# Altium PCB Isolator-Magnetic.PcbDoc
Units mm, origin at the board's own origin, x right, y up, seen from the top; angles counter-clockwise.
Board outline 35 x 45 mm, 2 copper layers (Top Layer, Bottom Layer), stack 1.85 mm thick; 14 components, 46 nets, 132 pads, 68 vias.
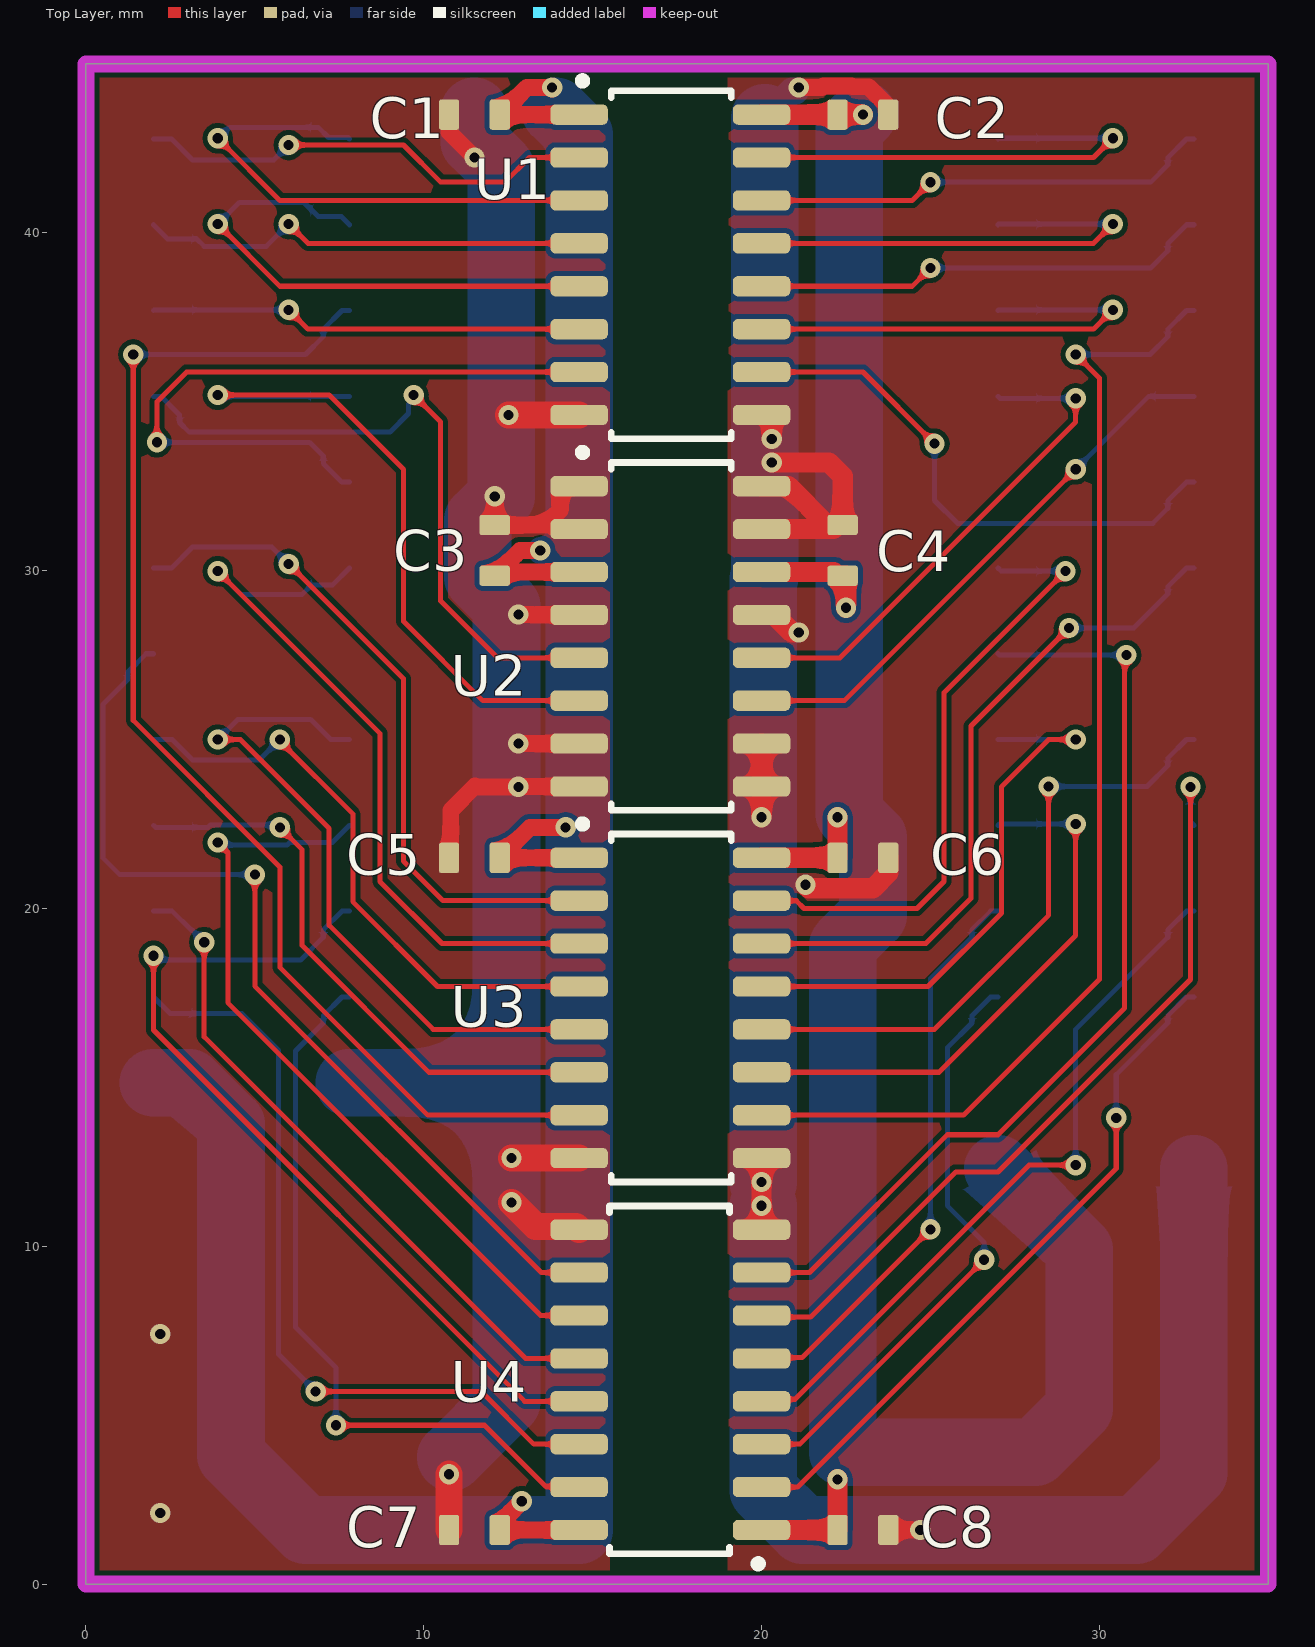
[diagram p0: Top Layer view]
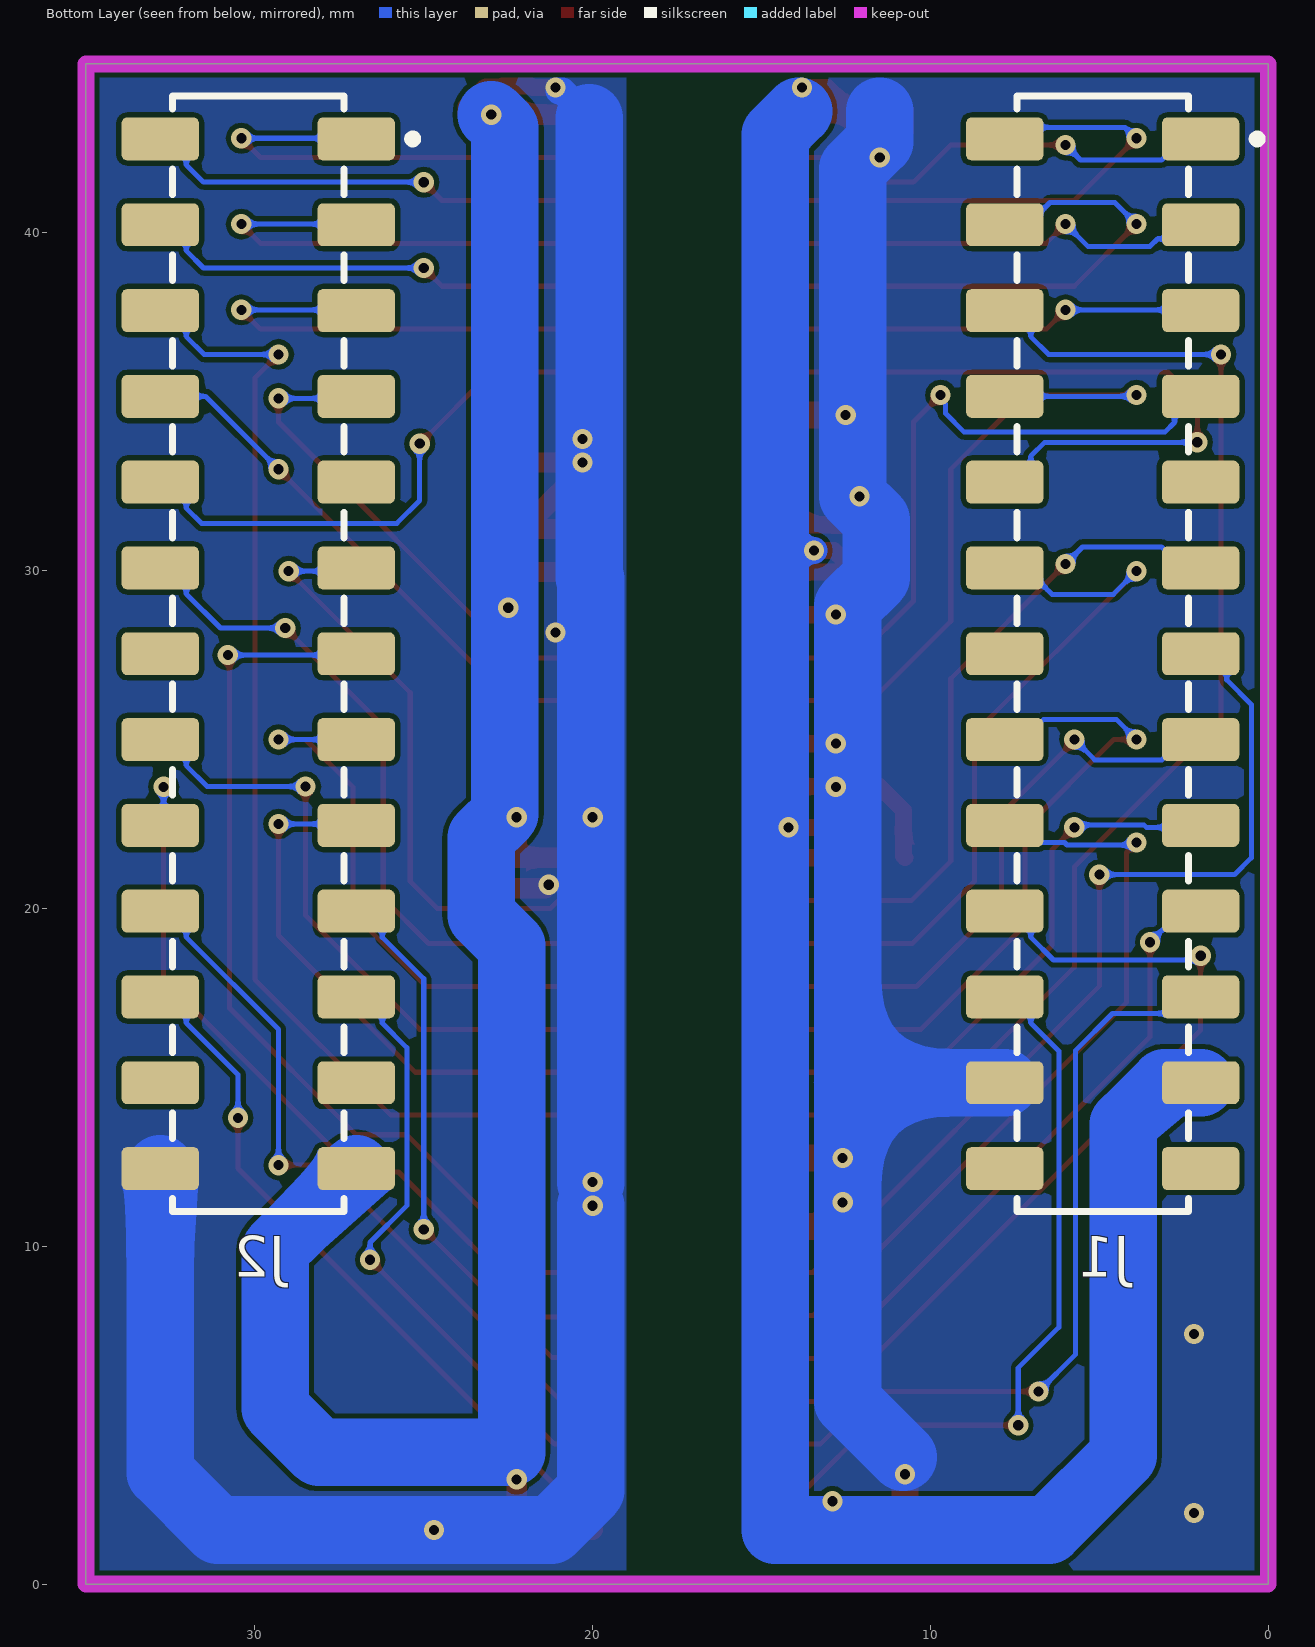
[diagram p1: Bottom Layer view, seen from below]

## Layer stack, top to bottom
Top Solder: solder mask 0.0102, Solder Resist, Dk 3.5
Top Layer: signal copper 0.035
Dielectric 2: prepreg 0.14, PP-010, Dk 4.3
Dielectric 1: core 1.5, Core-042, Dk 4.6
Dielectric 3: prepreg 0.14, PP-010, Dk 4.3
Bottom Layer: signal copper 0.035
Bottom Solder: solder mask 0.0102, Solder Resist, Dk 3.5

## Board outline
0,0 35,0 35,45 0,45

## Design rules (kind name [scope] priority, off if disabled: settings)
Clearance "Clearance Polygon Highspeed" [InPolygon and InNet('GND') vs InNetClass('Ethernet') or InNetClass('HDMI') or InNetClass('LVDS') or InNetClass('PCIe') or InNetClass('SATA') or InNetClass('USBO1_HS') or InNetClass('USBO1_SS') or InNetClass('USBH2_HS') or InNetClass('USBH3_HS') or InNetClass('USBH4_HS') or InNetClass('USBH4_SS')] p1: gap=0.15 ignorepadtopadclearanceinfootprint=FALSE except(0: Arc-Hole Track-Hole SMDPad-Hole THPad-Hole Via-Hole Fill-Hole Poly-Hole Region-Hole Text-Hole; 1.5: Arc-Fill Arc-Poly Arc-Region Track-Fill Track-Poly Track-Region SMDPad-Fill SMDPad-Poly SMDPad-Region THPad-Fill THPad-Poly THPad-Region Via-Fill Via-Poly Via-Region Fill-Fill Fill-Poly Fill-Region Poly-Poly Poly-Region Region-Region)
Clearance "Analog Polygon" [InNet('AGND') and InPolygon] p2: gap=0.15 ignorepadtopadclearanceinfootprint=FALSE except(0: Arc-Hole Track-Hole SMDPad-Hole THPad-Hole Via-Hole Fill-Hole Poly-Hole Region-Hole Text-Hole; 0.3: Arc-Fill Arc-Poly Arc-Region Track-Fill Track-Poly Track-Region SMDPad-Fill SMDPad-Poly SMDPad-Region THPad-Fill THPad-Poly THPad-Region Via-Fill Via-Poly Via-Region Fill-Fill Fill-Poly Fill-Region Poly-Poly Poly-Region Region-Region)
Clearance "Digital Polygon" [InNet('GND') and InPolygon] p3: gap=0.15 ignorepadtopadclearanceinfootprint=FALSE except(0: Arc-Hole Track-Hole SMDPad-Hole THPad-Hole Via-Hole Fill-Hole Poly-Hole Region-Hole Text-Hole; 0.3: Arc-Fill Arc-Poly Arc-Region Track-Fill Track-Poly Track-Region SMDPad-Fill SMDPad-Poly SMDPad-Region THPad-Fill THPad-Poly THPad-Region Via-Fill Via-Poly Via-Region Fill-Fill Fill-Poly Fill-Region Poly-Poly Poly-Region Region-Region)
Clearance "Diff Pairs" [InNetClass('Ethernet') or InNetClass('SATA') or InNetClass('HDMI') or InNetClass('PCIe') or InNetClass('LVDS')] p4: gap=0.1 ignorepadtopadclearanceinfootprint=FALSE except(1: Arc-Fill Arc-Poly Arc-Region Track-Fill Track-Poly Track-Region SMDPad-Fill SMDPad-Poly SMDPad-Region THPad-Fill THPad-Poly THPad-Region Via-Fill Via-Poly Via-Region Fill-Fill Fill-Poly Fill-Region Poly-Poly Poly-Region Region-Region)
Clearance [All] p5: gap=0.15 ignorepadtopadclearanceinfootprint=FALSE except(0: Arc-Hole Track-Hole SMDPad-Hole THPad-Hole Via-Hole Fill-Hole Poly-Hole Region-Hole Text-Hole)
ComponentClearance [All] p1: gap=0.2 collisioncheckmode=3 verticalgap=0.2 showdistances=FALSE
DiffPairsRouting Diff_Ethernet [InNetClass('Ethernet')] p1: maxlimit=2 minlimit=0.135 mostfreqgap=0.135 toplayer_minwidth=0.165 toplayer_maxwidth=0.165 toplayer_prefwidth=0.165 bottomlayer_minwidth=0.165 bottomlayer_maxwidth=0.165 bottomlayer_prefwidth=0.165 impedanceprofiledriven=TRUE impedanceprofileid={0758E92C-ECA7-4BD1-944C-2B5039B24D7F} impedanceprofilevalue=95.000000 maxuncoupledlength=12.7
DiffPairsRouting Diff_PCIe [InNetClass('PCIe')] p2: maxlimit=2 minlimit=0.16 mostfreqgap=0.16 toplayer_minwidth=0.1 toplayer_maxwidth=0.198 toplayer_prefwidth=0.198 bottomlayer_minwidth=0.1 bottomlayer_maxwidth=0.198 bottomlayer_prefwidth=0.198 impedanceprofiledriven=TRUE impedanceprofileid={872D3C10-AE81-4B26-BAE9-CD09B3029D58} impedanceprofilevalue=90.000000 maxuncoupledlength=12.7
DiffPairsRouting Diff_HDMI [InNetClass('HDMI')] p3: maxlimit=2 minlimit=0.16 mostfreqgap=0.16 toplayer_minwidth=0.1 toplayer_maxwidth=0.198 toplayer_prefwidth=0.198 bottomlayer_minwidth=0.1 bottomlayer_maxwidth=0.198 bottomlayer_prefwidth=0.198 impedanceprofiledriven=TRUE impedanceprofileid={872D3C10-AE81-4B26-BAE9-CD09B3029D58} impedanceprofilevalue=90.000000 maxuncoupledlength=12.7
DiffPairsRouting Diff_SATA [InNetClass('SATA')] p4: maxlimit=2 minlimit=0.105 mostfreqgap=0.105 toplayer_minwidth=0.165 toplayer_maxwidth=0.165 toplayer_prefwidth=0.165 bottomlayer_minwidth=0.165 bottomlayer_maxwidth=0.165 bottomlayer_prefwidth=0.165 impedanceprofiledriven=TRUE impedanceprofileid={3923B0F9-8FB3-4A4E-B013-C19AAABC556E} impedanceprofilevalue=90.000000 maxuncoupledlength=12.7
DiffPairsRouting Diff_LVDS [InNetClass('LVDS')] p5: maxlimit=2 minlimit=0.17 mostfreqgap=0.17 toplayer_minwidth=0.165 toplayer_maxwidth=0.165 toplayer_prefwidth=0.165 bottomlayer_minwidth=0.165 bottomlayer_maxwidth=0.165 bottomlayer_prefwidth=0.165 impedanceprofiledriven=TRUE impedanceprofileid={7474D7DC-58A7-4FA6-A522-E63227D1F5B1} impedanceprofilevalue=100.000000 maxuncoupledlength=12.7
DiffPairsRouting DiffPairsRouting_USB [All] p6: maxlimit=2 minlimit=0.16 mostfreqgap=0.16 toplayer_minwidth=0.1 toplayer_maxwidth=0.198 toplayer_prefwidth=0.198 bottomlayer_minwidth=0.1 bottomlayer_maxwidth=0.198 bottomlayer_prefwidth=0.198 impedanceprofiledriven=TRUE impedanceprofileid={872D3C10-AE81-4B26-BAE9-CD09B3029D58} impedanceprofilevalue=90.000000 maxuncoupledlength=12.7
FabricationTestPointUsage FabricationTestPointUsage_1 [All] p1: valid=0 allowmultiple=FALSE
FabricationTestpoint FabricationTestpoint_1 [All] p1: side=3 testpointundercomponent=TRUE minsize=1.016 maxsize=2.54 preferedsize=1.524 minholesize=0 maxholesize=1.016 preferedholesize=0.813 testpointgrid=0.025 allowsidetop=TRUE allowsidebottom=TRUE usegrid=TRUE gridtolerance=0
Height [All] p1: minheight=0 maxheight=100 prefheight=0.254
HoleSize [All] p1: absolutevalues=TRUE maxlimit=6 minlimit=0.2 maxpercent=80.000 minpercent=20.000
HoleSize FabricationTestpoint [All] p2 off: absolutevalues=TRUE maxlimit=2.54 minlimit=0.025 maxpercent=80.000 minpercent=20.000
HoleSize FabricationTestPointUsage [All] p3 off: absolutevalues=TRUE maxlimit=2.54 minlimit=0.025 maxpercent=80.000 minpercent=20.000
MatchedLengths Match_PCIe [InNetClass('PCIe')] p1: tolerance=2 checknetsindiffpair=FALSE checkdiffpairvsdiffpair=TRUE checkxsignals=TRUE checkothers=TRUE
MatchedLengths Match_PCIe_Intra [InNetClass('PCIe')] p2: tolerance=0.15 checknetsindiffpair=TRUE checkdiffpairvsdiffpair=FALSE checkxsignals=FALSE checkothers=FALSE
MatchedLengths Match_SATA [InNetClass('SATA')] p3: tolerance=2 checknetsindiffpair=FALSE checkdiffpairvsdiffpair=TRUE checkxsignals=TRUE checkothers=TRUE
MatchedLengths Match_SATA_Intra [InNetClass('SATA')] p4: tolerance=0.15 checknetsindiffpair=TRUE checkdiffpairvsdiffpair=FALSE checkxsignals=FALSE checkothers=FALSE
MatchedLengths Match_Ethernet [InNetClass('Ethernet')] p5: tolerance=2 checknetsindiffpair=FALSE checkdiffpairvsdiffpair=TRUE checkxsignals=TRUE checkothers=TRUE
MatchedLengths Match_Ethernet_Intra [InNetClass('SATA')] p6: tolerance=0.25 checknetsindiffpair=TRUE checkdiffpairvsdiffpair=FALSE checkxsignals=FALSE checkothers=FALSE
MatchedLengths Match_HDMI [InNetClass('HDMI')] p7: tolerance=2 checknetsindiffpair=FALSE checkdiffpairvsdiffpair=TRUE checkxsignals=TRUE checkothers=TRUE
MatchedLengths Match_HDMI_Intra [InNetClass('HDMI')] p8: tolerance=0.75 checknetsindiffpair=TRUE checkdiffpairvsdiffpair=FALSE checkxsignals=FALSE checkothers=FALSE
MatchedLengths Match_LVDS_Intra [InNetClass('LVDS')] p9: tolerance=0.15 checknetsindiffpair=FALSE checkdiffpairvsdiffpair=TRUE checkxsignals=TRUE checkothers=TRUE
MatchedLengths Match_USBO1_SS [InNetClass('USBO1_SS')] p10: tolerance=2 checknetsindiffpair=FALSE checkdiffpairvsdiffpair=TRUE checkxsignals=TRUE checkothers=TRUE
MatchedLengths Match_USBH4_SS [InNetClass('USBH4_SS')] p11: tolerance=2 checknetsindiffpair=FALSE checkdiffpairvsdiffpair=TRUE checkxsignals=TRUE checkothers=TRUE
MatchedLengths Match_USB_SS_Intra [InNetClass('USBO1_SS') or InNetClass('USBH4_SS')] p12: tolerance=0.15 checknetsindiffpair=TRUE checkdiffpairvsdiffpair=FALSE checkxsignals=FALSE checkothers=FALSE
MatchedLengths Match_USB_HS_Intra [InNetClass('USBO1_HS') or InNetClass('USBH2_HS') or InNetClass('USBH3_HS') or InNetClass('USBH4_HS')] p13: tolerance=1.1 checknetsindiffpair=TRUE checkdiffpairvsdiffpair=FALSE checkxsignals=FALSE checkothers=FALSE
MinimumAnnularRing [All] p1: minimumring=0.15
MinimumSolderMaskSliver [All] p1: minsoldermaskwidth=0.1
PlaneClearance [All] p1: clearance=0.3
PlaneConnect [All] p1: planeconnectstyle=Direct reliefexpansion=0.4 reliefentries=4 reliefconductorwidth=0.15 reliefairgap=0.15
PolygonConnect [All] p1: thpad.connectstyle=Relief thpad.reliefconductorwidth=0.3 thpad.reliefentries=4 thpad.polygonreliefangle="90 Angle" thpad.airgapwidth=0.2 smdpad.connectstyle=Direct smdpad.reliefconductorwidth=0.15 smdpad.reliefentries=4 smdpad.polygonreliefangle="90 Angle" smdpad.airgapwidth=0.254 via.connectstyle=Direct via.reliefconductorwidth=0.15 via.reliefentries=4 via.polygonreliefangle="90 Angle" via.airgapwidth=0.254
RoutingCorners [All] p1: cornerstyle=45-Degree minsetback=1.25 maxsetback=1.25
RoutingVias [All] p1: holewidth=0.3 width=0.6 viastyle="Through Hole" minholewidth=0.2 minwidth=0.45 maxholewidth=0.45 maxwidth=0.75
SilkToSilkClearance [All] p1: silktosilkclearance=0.1
SilkToSolderMaskClearance [IsPad] p1: minsilkscreentomaskgap=0.1 clearancetoexposedcopper=TRUE
SolderMaskExpansion [All] p1: expansion=0.075
Width [All] p1: maxlimit=10 minlimit=0.125 preferedwidth=0.15
18 further rules are at their usual default settings.

## Components (designator, comment, footprint, x,y, rotation, side; value= is the part's Value field where it differs from the comment)
C1 "100nF" SMD0603CAP 11.5,43.5 r180 top
C2 "100nF" SMD0603CAP 23,43.5 r0 top
C3 "100nF" SMD0603CAP 12.1,30.6 r90 top
C4 "100nF" SMD0603CAP 22.4,30.6 r90 top
C5 "100nF" SMD0603CAP 11.5,21.5 r180 top
C6 "100nF" SMD0603CAP 23,21.5 r0 top
C7 "100nF" SMD0603CAP 11.5,1.6 r180 top
C8 "100nF" SMD0603CAP 23,1.6 r0 top
J1 "HLE-113-02-L-DV-A" HLE-113-02-XXX-DV-A 4.9,27.54 r270 top
J2 "HLE-113-02-L-DV-A" HLE-113-02-XXX-DV-A 29.9,27.54 r270 top
U1 "Si8660BB-B-IS1" SOIC16 14.6,43.5 r0 top
U2 "MAX14933" SOIC16 14.6,32.5 r0 top
U3 "Si8660BB-B-IS1" SOIC16 14.6,21.5 r0 top
U4 "Si8660BB-B-IS1" SOIC16 20,1.6 r180 top

## Footprints (in the part's own frame and the unit in brackets; to place one, negate y for a bottom-side part, rotate by r counter-clockwise, add the part's x,y. Pads: shape width x height; smd on the part's side, far side on the other; paste and mask are expansions set on the pad)
HLE-113-02-XXX-DV-A [mm] "Samtec HLE 26P"
  rrect25% 1.27x2.286 smd far side mask+0.051: 1(-15.24,-2.9) 2(-15.24,2.9) 3(-12.7,-2.9) 4(-12.7,2.9) 5(-10.16,-2.9) 6(-10.16,2.9) 7(-7.62,-2.9) 8(-7.62,2.9) 9(-5.08,-2.9) 10(-5.08,2.9) 11(-2.54,-2.9) 12(-2.54,2.9) 13(0,-2.9) 14(0,2.9) 15(2.54,-2.9) 16(2.54,2.9) 17(5.08,-2.9) 18(5.08,2.9) 19(7.62,-2.9) 20(7.62,2.9) 21(10.16,-2.9) 22(10.16,2.9) 23(12.7,-2.9) 24(12.7,2.9) 25(15.24,-2.9) 26(15.24,2.9)
  body extent -16.51,-3.28 16.51,3.3, height 3.66
SMD0603CAP [mm]
  rrect25% 0.6x0.9 smd: 1(-0.75,0) 2(0.75,0)
  body extent -0.75,-0.4 0.75,0.4, height 0.45
SOIC16 [mm] "SOIC-16 NARROW"
  rrect50% 1.7x0.6 smd: 1(0,0) 2(0,-1.27) 3(0,-2.54) 4(0,-3.81) 5(0,-5.08) 6(0,-6.35) 7(0,-7.62) 8(0,-8.89) 9(5.4,-8.89) 10(5.4,-7.62) 11(5.4,-6.35) 12(5.4,-5.08) 13(5.4,-3.81) 14(5.4,-2.54) 15(5.4,-1.27) 16(5.4,0)
  silkscreen extent 0,-9.59 4.5,1.1, body extent -0.38,-9.48 5.78,0.6, height 1.97

## Part data
C1 C2 C3 C4 C5 C6 C7 C8: library part "Capacitor Ceramic", "Ceramic Capacitor"
J1 J2: library part "Receptacle 13x2P", "Receptacle 13x2P", Manufacturer Part No.=HLE-113-02-L-DV-A
U1 U3 U4: "Unidirectional digital isolator", Manufacturer Part No.=Si8660BB-B-IS1
U2: "Bidirectional digital isolator", Manufacturer Part No.=MAX14933ASE+

## Via types
v1: diameter 0.6, hole 0.3, Top Layer to Bottom Layer, tented both sides, 68 vias

## Nets (pads, with @x,y where several pads share a name; then routed paths per layer and width w, separated by ;. In a path a pad name is that pad's centre, name@x,y a point inside that pad or via, vN(x,y) a via of type N, cw(c..) or ccw(c..) an arc to the next point about the centre after c; other vN are vias at no path point)
COM_+3.3V: C1.1 C3.1 C5.1 C7.1 J1.23 U1.1 U2.3 U3.1 U4.16 | length 84
  Top Layer w0.5: v1(12.9,2.45) 12.25,1.8 C7.1 U4.16 ; v1(13.45,30.6) 12.85,30.6 C3.1 12.25,29.85 12.36,29.96 U2.3 ; v1@13.8,44.26 v1(13.8,44.3) 13.05,44.3 12.45,43.7 12.3,43.7 12.25,43.65 C1.1 U1.1 ; v1(14.2,22.4) 13.15,22.4 C5.1 U3.1
  Bottom Layer w0.8: v1(13.45,30.6) 14.6,30.6
  Bottom Layer w2: J1.23 3.06,14.84 4.293,13.607 4.293,3.807 6.5,1.6 14.6,1.6 14.6,22.4 14.6,30.6 14.6,42.9 13.9,43.6
COM_GND: C1.2 C3.2 C5.2 C7.2 J1.24 U1.8 U2.1 U2.2 U2.4 U2.7 U2.8 U3.8 U4.9 | length 70.4
  Top Layer w0.5: C5.2 10.8,21.55 10.8,21.903 10.8,22.9 11.52,23.62 11.54,23.6 v1(12.8,23.6) ; C1.2@10.75,43.65 C1.2 10.75,42.98 v1(11.5,42.23) ; v1(12.1,32.2) C3.2 13.611,31.35 ; v1@12.8,23.61 U2.8 ; v1(12.8,24.88) U2.7 ; v1(12.8,28.7) 13.2,28.7 13.21,28.69 U2.4 ; U2.2 14.55,31.28 13.841,31.28 13.771,31.35 13.611,31.35 ; U2.1 14.089,32.5 14.039,32.45 14.039,31.778 13.611,31.35
  Top Layer w0.8: C7.2 v1(10.75,3.25) ; v1(12.51,34.61) U1.8 ; v1(12.6,11.3) 13.31,10.59 14.5,10.59 U4.9 ; v1(12.6,12.61) U3.8
  Bottom Layer w2: J1.24 12.45,14.84 ; 10.8,3.75 12.45,5.4 12.45,14.84 ; 11.5,43.6 11.5,42.7 12.3,41.9 12.3,32.2 11.6,31.5 11.6,29.8 12.45,28.95 12.45,14.84
  other v1: 2.2,2.1 2.2,7.4
D\A\C\_\R\S\T\_A: J1.5 U1.6 | length 12.8
  Top Layer w0.15: v1(6,37.72) 6.57,37.15 U1.6
  Bottom Layer w0.15: J1.5 2.02,37.72 v1(6,37.72)
D\A\C\_\R\S\T\_B: J2.5 U1.11 | length 14
  Top Layer w0.15: U1.11 29.83,37.15 v1(30.4,37.72)
  Bottom Layer w0.15: J2.5 27.02,37.72 v1(30.4,37.72)
DAC_3.3V: C2.1 C4.1 C6.1 C8.1 J2.25 U1.16 U2.14 U3.16 U4.1 | length 69.8
  Top Layer w0.6: U4.1 C8.1 v1(22.25,3.1) ; U3.16 C6.1 v1(22.25,22.7) ; U2.14 22.14,29.96 22.25,29.85 C4.1 22.5,29.85 v1(22.5,28.9) ; U1.16 C2.1 v1(23,43.5)
  Bottom Layer w2: v1(23,43.5) 22.6,43.1 22.6,22.8 23.3,22.1 23.3,19.8 22.4,18.9 22.4,3.9 28.1,3.9 29.4,5.2 29.4,9.9 J2.25
DAC_BCLK_A: J1.2 U1.3 | length 15.6
  Top Layer w0.15: v1(3.9,42.8) 5.74,40.96 U1.3
  Bottom Layer w0.15: v1(3.9,42.8) 3.92,42.8 4.245,43.125 6.875,43.125 7.177,42.823 7.757,42.823 J1.2
DAC_BCLK_B: J2.2 U1.14 | length 13.7
  Top Layer w0.15: U1.14 24.46,40.96 v1(25,41.5)
  Bottom Layer w0.15: v1(25,41.5) 31.52,41.5 32.028,42.008 32.028,42.226 32.581,42.78 J2.2
DAC_CS_A: J1.10 U1.7 | length 20.4
  Top Layer w0.15: v1(2.1,33.8) 2.1,35 2.98,35.88 U1.7
  Bottom Layer w0.15: v1(2.1,33.8) 6.62,33.8 7.028,33.392 7.028,33.174 7.581,32.62 J1.10
DAC_CS_B: J2.10 U1.10 | length 16.3
  Top Layer w0.15: U1.10 23,35.88 v1(25.12,33.76)
  Bottom Layer w0.15: v1(25.12,33.76) 25.12,32.08 25.8,31.4 31.58,31.4 32.028,31.848 32.028,32.066 32.581,32.62 J2.10
DAC_GND: C2.2 C4.2 C6.2 C8.2 J2.26 U1.9 U2.9 U2.10 U2.13 U2.15 U2.16 U3.9 U4.8 | length 86.6
  Top Layer w0.5: v1(21.1,44.3) 21.778,44.3 21.828,44.35 22.672,44.35 22.697,44.325 23.165,44.325 23.75,43.74 C2.2 ; C8.2 v1(24.7,1.6)
  Top Layer w0.6: U4.8 U3.9 ; v1(20,22.7) U2.9 U2.10 ; U2.13 20.55,28.69 20.55,28.521 20.901,28.17 v1(21.1,28.17) ; U2.15 22.13,31.23 C4.2@22.25,31.35 ; U2.16 20.8,32.5 21.95,31.35 C4.2@22.25,31.35 ; U1.9 20.3,34.61 v1(20.3,33.9) ; v1(20.3,33.2) 22,33.2 22.4,32.8 C4.2 C4.2@22.25,31.35 ; v1(21.3,20.7) 21.4,20.6 23.3,20.6 23.75,21.05 C6.2
  Bottom Layer w0.8: 20.4,43.7 20.9,44.2 v1@21,44.2
  Bottom Layer w2: v1@20.05,11.2 20.05,2.772 21.222,1.6 v1(24.7,1.6) 31.1,1.6 32.8,3.3 J2.26 ; v1@20.05,11.9 20.05,29.751 20.1,29.801 20.1,43.4
  other v1: 20,11.2 20,11.9
DAC_LRCLK_A: J1.3 U1.4 | length 13.4
  Top Layer w0.15: v1(6,40.26) 6.57,39.69 U1.4
  Bottom Layer w0.15: J1.3 2.42,39.82 3.28,39.82 3.5,39.6 5.34,39.6 v1(6,40.26)
DAC_LRCLK_B: J2.3 U1.13 | length 14
  Top Layer w0.15: U1.13 29.83,39.69 v1(30.4,40.26)
  Bottom Layer w0.15: J2.3 27.02,40.26 v1(30.4,40.26)
DAC_MCLK_A: J1.1 U1.2 | length 13.8
  Top Layer w0.15: v1(6,42.6) 9.4,42.6 10.5,41.5 12.4,41.5 13.13,42.23 U1.2
  Bottom Layer w0.15: J1.1 2.536,42.78 3.156,42.16 5.56,42.16 v1(6,42.6)
DAC_MCLK_B: J2.1 U1.15 | length 14
  Top Layer w0.15: U1.15 29.83,42.23 v1(30.4,42.8)
  Bottom Layer w0.15: J2.1 27.02,42.8 v1(30.4,42.8)
DAC_MISO_A: J1.9
DAC_MISO_B: J2.9
DAC_MUTE_A: J1.6 U3.7 | length 37.7
  Top Layer w0.15: v1(1.4,36.4) 1.4,25.57 5.74,21.23 5.74,18.26 10.12,13.88 U3.7
  Bottom Layer w0.15: v1(1.4,36.4) 6.5,36.4 7.028,36.928 7.028,37.146 7.581,37.7 J1.6
DAC_MUTE_B: J2.6 U3.10 | length 34.6
  Top Layer w0.15: U3.10 25.98,13.88 30,17.9 30,35.7 v1(29.3,36.4)
  Bottom Layer w0.15: v1(29.3,36.4) 31.5,36.4 32.028,36.928 32.028,37.146 32.581,37.7 J2.6
DAC_SCL_SCLK_A: J1.7 U2.5 | length 20.2
  Top Layer w0.15: v1(9.7,35.2) 10.5,34.4 10.5,29.1 12.18,27.42 U2.5
  Bottom Layer w0.15: J1.7 2.219,35.16 2.772,34.606 2.772,34.388 3.06,34.1 9,34.1 9.55,34.65 9.55,34.929 9.7,35.078 v1(9.7,35.2)
DAC_SCL_SCLK_B: J2.7 U2.12 | length 15.2
  Top Layer w0.15: U2.12 22.32,27.42 29.3,34.4 v1(29.3,35.1)
  Bottom Layer w0.15: J2.7 27.06,35.1 v1(29.3,35.1)
DAC_SDA_MOSI_A: J1.8 U2.6 | length 21
  Top Layer w0.15: v1(3.9,35.2) 7.2,35.2 9.4,33 9.4,28.5 11.75,26.15 U2.6
  Bottom Layer w0.15: v1(3.9,35.2) 3.94,35.16 J1.8
DAC_SDA_MOSI_B: J2.8 U2.11 | length 16.5
  Top Layer w0.15: U2.11 22.45,26.15 v1(29.3,33)
  Bottom Layer w0.15: v1(29.3,33) 31.46,35.16 J2.8
DAC_SDATA_A: J1.4 U1.5 | length 15.9
  Top Layer w0.15: v1(3.9,40.26) 5.74,38.42 U1.5
  Bottom Layer w0.15: v1(3.9,40.26) 4.54,40.9 6.458,40.9 6.875,40.483 7.557,40.483 J1.4
DAC_SDATA_B: J2.4 U1.12 | length 13.7
  Top Layer w0.15: U1.12 24.46,38.42 v1(25,38.96)
  Bottom Layer w0.15: v1(25,38.96) 31.52,38.96 32.028,39.468 32.028,39.686 32.581,40.24 J2.4
PS_A12V_EN_A: J1.15 U3.4 | length 17.7
  Top Layer w0.15: v1(5.74,25) 5.74,24.96 7.9,22.8 7.9,20.2 10.41,17.69 U3.4
  Bottom Layer w0.15: J1.15 2.553,25 3.153,24.4 5.14,24.4 v1(5.74,25)
PS_A12V_EN_B: J2.15 U3.13 | length 16.8
  Top Layer w0.15: U3.13 24.93,17.69 27.1,19.86 27.1,23.6 28.5,25 v1(29.3,25)
  Bottom Layer w0.15: J2.15 v1(29.3,25)
PS_A+3.3V_EN_A: J1.16 U3.5 | length 20.3
  Top Layer w0.15: v1(3.9,25) 4.57,25 7.2,22.37 7.2,19.5 10.28,16.42 U3.5
  Bottom Layer w0.15: v1(3.9,25) 4.5,25.6 6.647,25.6 7.247,25 J1.16
PS_A+3.3V_EN_B: J2.16 U3.12 | length 18.7
  Top Layer w0.15: U3.12 25.12,16.42 28.5,19.8 v1(28.5,23.61)
  Bottom Layer w0.15: v1(28.5,23.61) 31.41,23.61 32.028,24.228 32.028,24.446 32.581,25 J2.16
PS_A+3.3V_PG_A: J1.21 U4.14 | length 23.4
  Top Layer w0.15: v1(6.8,5.7) 11.7,5.7 13.26,4.14 U4.14
  Bottom Layer w0.15: J1.21 2.492,16.888 4.612,16.888 5.7,15.8 5.7,6.8 v1(6.8,5.7)
PS_A+3.3V_PG_B: J2.21 U4.3 | length 17.9
  Top Layer w0.15: U4.3@20.04,4.1 U4.3 21.13,4.14 v1(26.59,9.6)
  Bottom Layer w0.15: v1(26.59,9.6) 26.59,10.11 25.5,11.2 25.5,15.88 26.228,16.608 26.228,16.826 26.781,17.38 J2.21
PS_A+5V_EN_A: J1.17 U3.6 | length 17.4
  Top Layer w0.15: v1(5.74,22.4) 6.4,21.74 6.4,18.9 10.15,15.15 U3.6
  Bottom Layer w0.15: J1.17 2.06,22.4 3.608,22.4 3.683,22.475 5.665,22.475 v1(5.74,22.4) v1@5.8,22.46
PS_A+5V_EN_B: J2.17 U3.11 | length 16.6
  Top Layer w0.15: U3.11 25.25,15.15 29.3,19.2 v1(29.3,22.5)
  Bottom Layer w0.15: J2.17 27.04,22.5 v1(29.3,22.5)
PS_A+5V_PG_A: J1.20 U4.13 | length 25.9
  Top Layer w0.15: v1(2,18.6) 2,16.4 12.99,5.41 U4.13
  Bottom Layer w0.15: v1(2,18.6) 2.122,18.6 2.247,18.475 6.355,18.475 7.028,19.148 7.028,19.366 7.581,19.92 J1.20
PS_A+5V_PG_B: J2.20 U4.4 | length 21.3
  Top Layer w0.15: U4.4 20.057,5.467 20.987,5.467 27.92,12.4 v1(29.3,12.4)
  Bottom Layer w0.15: v1(29.3,12.4) 29.3,16.42 32.028,19.148 32.028,19.366 32.581,19.92 J2.20
PS_A+12V_PG_A: J1.18 U4.11 | length 23.3
  Top Layer w0.15: v1(3.9,21.95) 4.2,21.65 4.2,17.21 13.46,7.95 U4.11
  Bottom Layer w0.15: v1(3.9,21.95) 3.975,21.875 5.957,21.875 6.032,21.95 6.644,21.95 6.646,21.952 7.292,21.952 J1.18
PS_A+12V_PG_B: J2.18 U4.6 | length 23.7
  Top Layer w0.15: U4.6 20.05,7.9 21.45,7.9 25.75,12.2 27,12.2 32.7,17.9 v1(32.7,23.6)
  Bottom Layer w0.15: v1(32.7,23.6) 32.7,22.56 J2.18
PS_A-12V_PG_A: J1.19 U4.12 | length 19.7
  Top Layer w0.15: v1(3.5,19) 3.5,16.2 13.02,6.68 U4.12
  Bottom Layer w0.15: J1.19 2.553,19.92 3.113,19.36 3.14,19.36 v1(3.5,19)
PS_A-12V_PG_B: J2.19 U4.5 | length 17
  Top Layer w0.15: U4.5 20.02,6.7 21.2,6.7 v1(25,10.5)
  Bottom Layer w0.15: v1(25,10.5) 25,17.92 26.228,19.148 26.228,19.366 26.781,19.92 J2.19
PS_D+3.3V_PG_A: J1.22 U4.15 | length 21.9
  Top Layer w0.15: v1(7.4,4.7) 11.8,4.7 13.613,2.887 14.583,2.887 U4.15
  Bottom Layer w0.15: v1(7.4,4.7) 7.4,6.4 6.2,7.6 6.2,15.78 7.028,16.608 7.028,16.826 7.581,17.38 J1.22
PS_D+3.3V_PG_B: J2.22 U4.2 | length 20.6
  Top Layer w0.15: U4.2 21.07,2.87 30.5,12.3 v1(30.5,13.8)
  Bottom Layer w0.15: v1(30.5,13.8) 30.5,15.08 32.028,16.608 32.028,16.826 32.581,17.38 J2.22
REF_CLK_A: J1.13 U4.10 | length 27.9
  Top Layer w0.15: v1(5,21) 5,17.7 13.48,9.22 U4.10
  Bottom Layer w0.15: J1.13 1.781,27.54 1.228,26.986 1.228,26.768 0.5,26.04 0.5,21.5 1,21 v1(5,21)
REF_CLK_B: J2.13 U4.7 | length 28.3
  Top Layer w0.15: U4.7 21.42,9.22 25.5,13.3 27,13.3 30.75,17.05 30.75,27.45 v1(30.8,27.5)
  Bottom Layer w0.15: J2.13 27.04,27.5 v1(30.8,27.5)
REF_CLK_EN_1_A: J1.11 U3.2 | length 20.4
  Top Layer w0.15: v1(6,30.2) 9.4,26.8 9.4,21.4 10.57,20.23 U3.2
  Bottom Layer w0.15: J1.11 2.536,30.08 3.156,30.7 5.5,30.7 v1(6,30.2)
REF_CLK_EN_1_B: J2.11 U3.15 | length 18.5
  Top Layer w0.15: U3.15 21.028,20.23 21.258,20 24.6,20 25.4,20.8 25.4,26.385 v1(29,29.985)
  Bottom Layer w0.15: J2.11 27.095,29.985 v1(29,29.985)
REF_CLK_EN_2_A: J1.12 U3.3 | length 22.5
  Top Layer w0.15: v1(3.9,29.985) 8.7,25.185 8.7,20.8 10.54,18.96 U3.3
  Bottom Layer w0.15: v1@3.814,30.071 v1(3.9,29.985) 4.585,29.3 6.4,29.3 6.672,29.572 7.292,29.572 J1.12
REF_CLK_EN_2_B: J2.12 U3.14 | length 20.5
  Top Layer w0.15: U3.14 24.86,18.96 26.2,20.3 26.2,25.4 v1(29.1,28.3)
  Bottom Layer w0.15: v1(29.1,28.3) 31.02,28.3 32.028,29.308 32.028,29.526 32.581,30.08 J2.12
pads on no net: J1.14 J1.25 J1.26 J2.14 J2.23 J2.24

## Polygon pours and split planes (outlines as drawn)
DAC_GND on Top Layer "DAC_GND_L01_P015" (solid, remove dead copper, pour order 15): 0,45 0,0 35,0 35,45
COM_GND on Top Layer "COM_GND_L01_P013" (solid, remove dead copper, pour order 13): 0,45 0,0 35,0 35,45
no net on Top Layer "Top Layer-No Net" (solid, pour order 8): 74.46,233.6
no net on Top Layer "Top Layer-No Net 1" (solid, pour order 6): 74.6,233.738
COM_GND on Bottom Layer "COM_GND_L02_P019" (solid, remove dead copper, pour order 19): 0,45 0,0 35,0 35,45
DAC_GND on Bottom Layer "DAC_GND_L02_P017" (solid, remove dead copper, pour order 17): 0,45 0,0 35,0 35,45

## Keep-outs
Keep-Out Layer:
  the board outline again, w0.5

## Other copper
Multi-Layer:
  pour cut-out: 15.5,45 15.5,0 19,0 19,45

## Silkscreen, mask and mechanical layers (free items; w line width, h text height)
Top Overlay:
  text ".ProjectName Rev. .Revision" at 34,1.6 h4 r90
Mechanical 1:
  the board outline again, w0.1